# Altium PCB PCB2.PcbDoc
Units mil, origin at the board's own origin, x right, y up, seen from the top; angles counter-clockwise.
Board outline 6000 x 4000 mil, 2 copper layers (Top Layer, Bottom Layer); 183 components, 159 nets, 654 pads, 8 vias.
Unrouted connection lines stored in the file: 455.
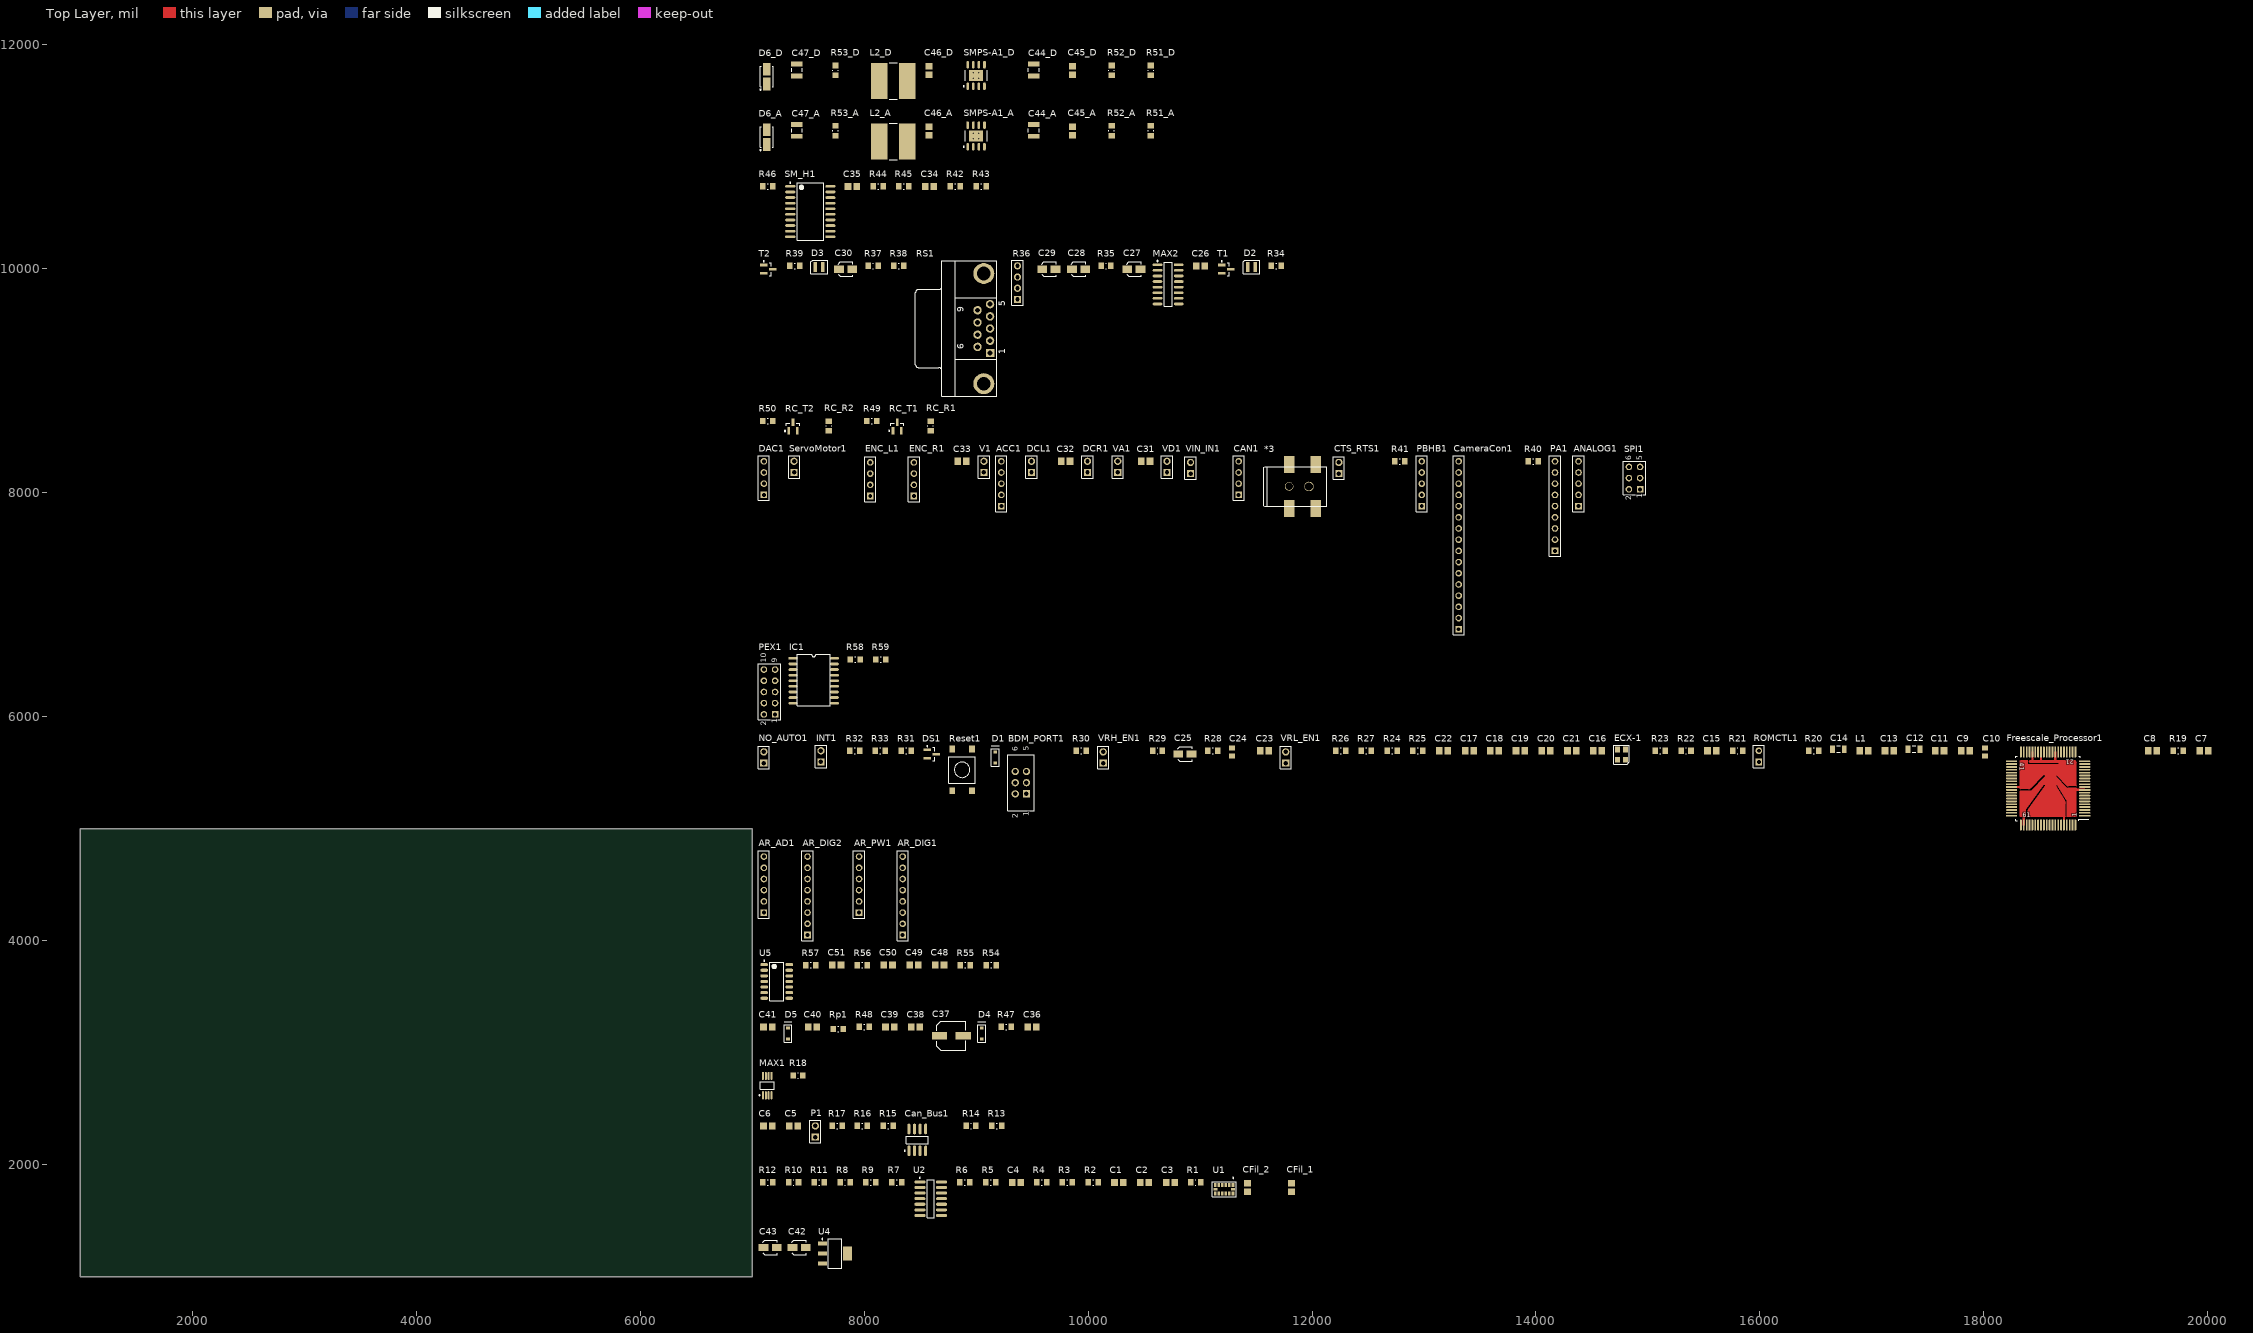
[diagram p0: Top Layer view]
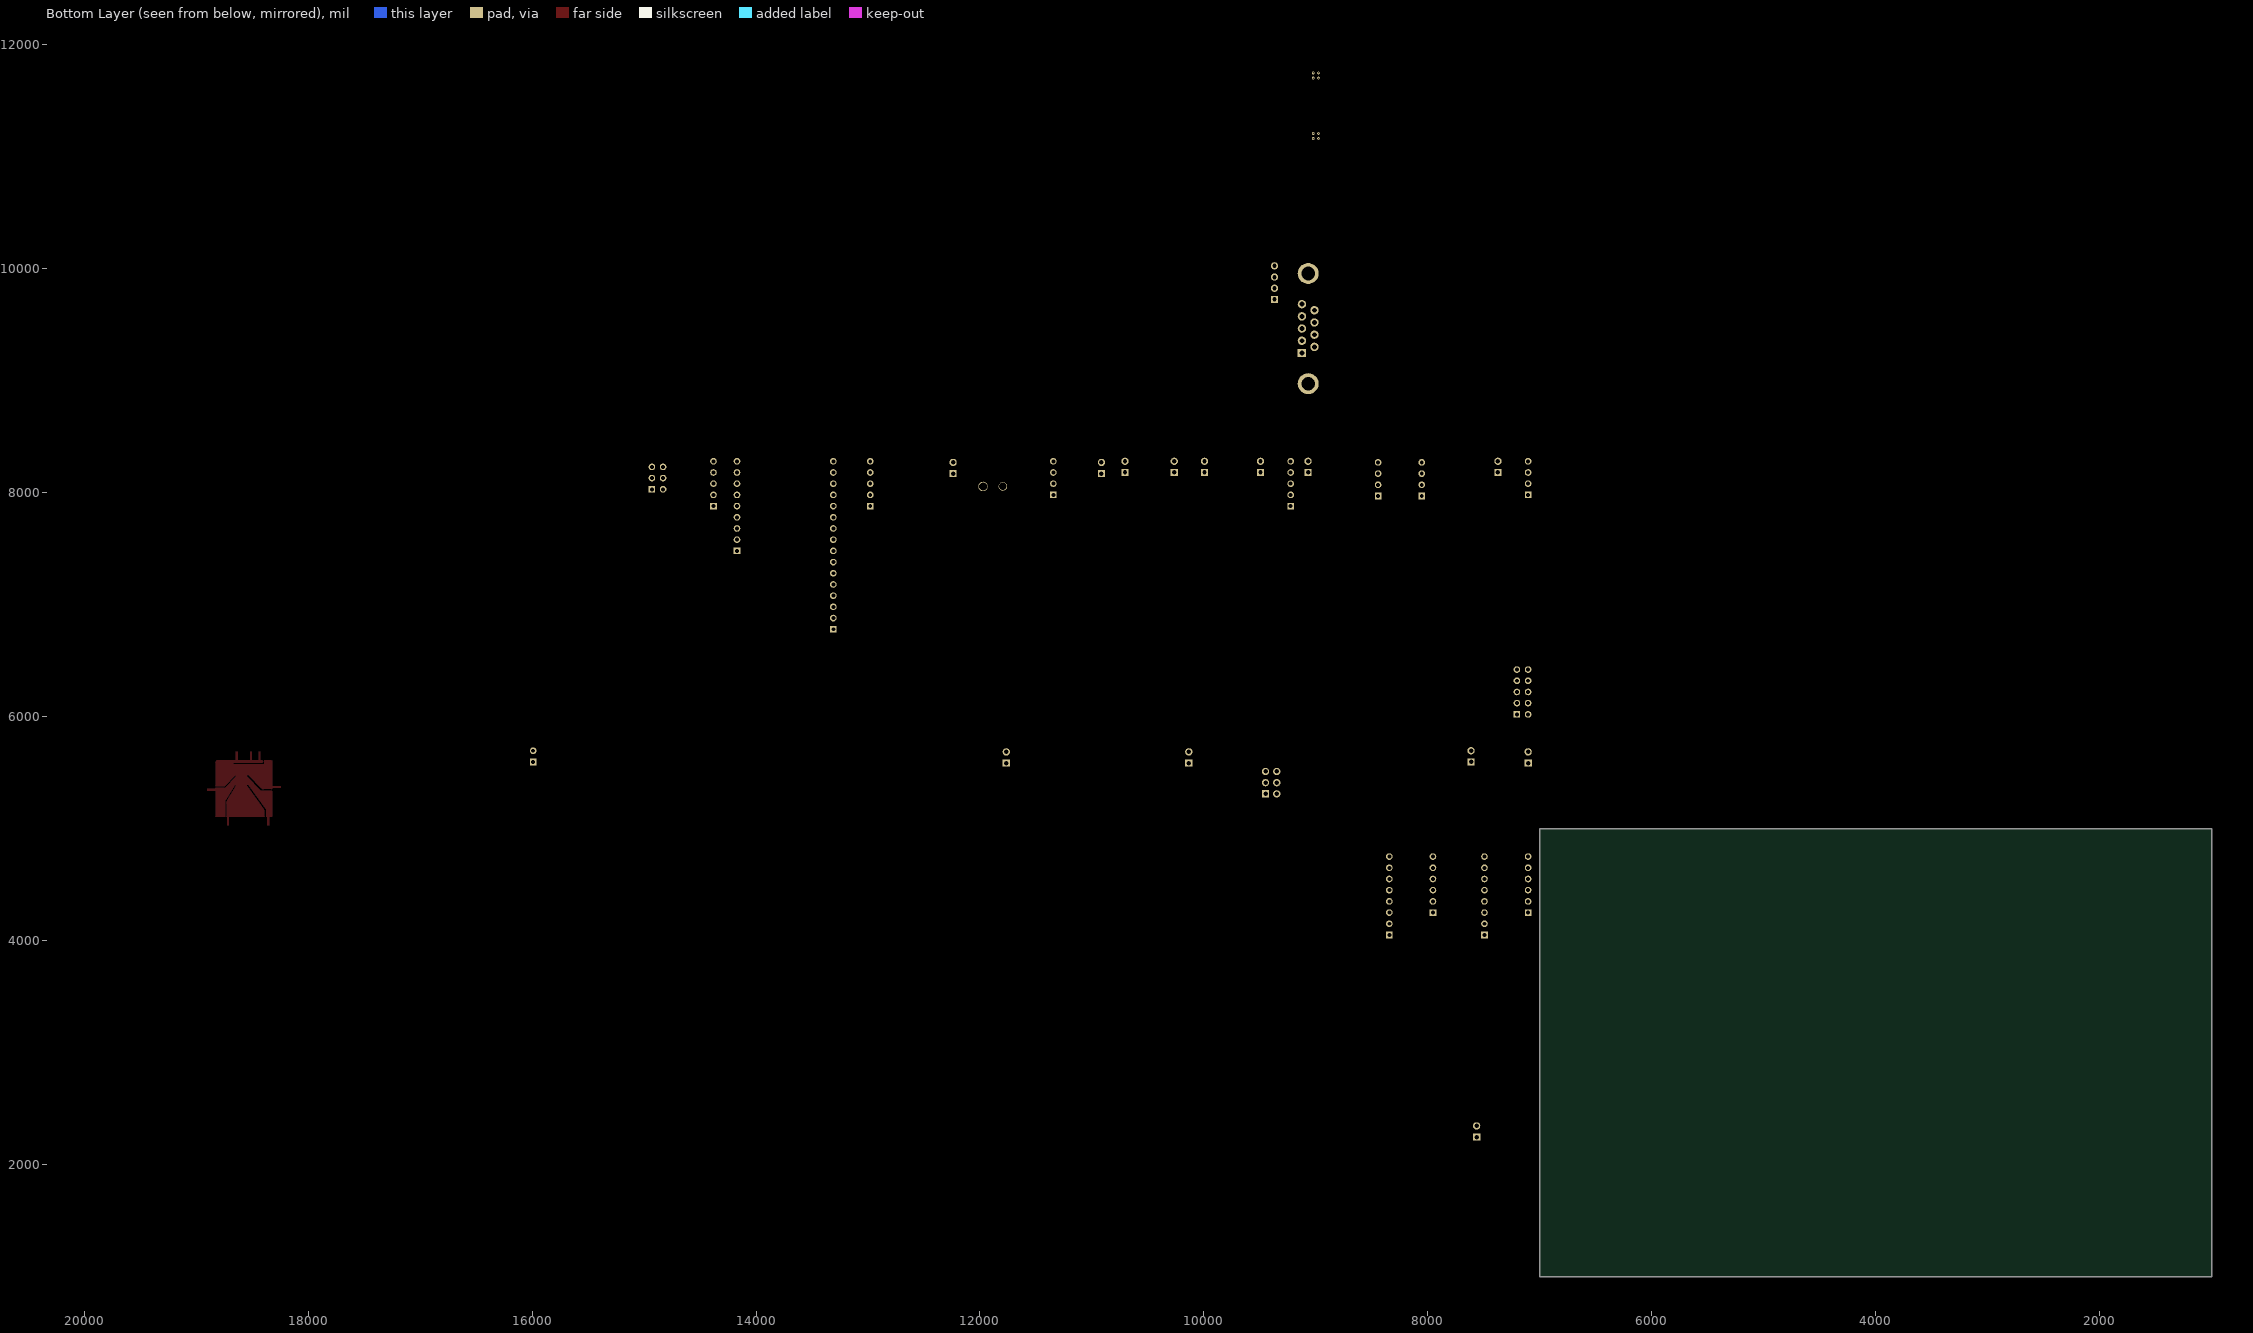
[diagram p1: Bottom Layer view, seen from below]

## Layer stack, top to bottom
Top Layer: signal copper 1.4
Dielectric: dielectric 12.6, FR-4, Dk 4.8
Bottom Layer: signal copper 1.4

## Board outline
1000,1000 7000,1000 7000,5000 1000,5000

## Design rules (kind name [scope] priority, off if disabled: settings)
Clearance [All] p1: gap=10
PolygonConnect [All] p1: connectstyle=Relief reliefconductorwidth=10 reliefentries=4 polygonreliefangle="90 Angle" airgapwidth=10
RoomDefinition Stepper_Motor [InComponentClass('Stepper_Motor')] p1: confinementstyle=ConfineIn formatcopy=TRUE lockcomponents=FALSE outline 7045,10235 9145,10235 9145,10895 7045,10895
RoomDefinition RS232 [InComponentClass('RS232')] p2: confinementstyle=ConfineIn formatcopy=TRUE lockcomponents=FALSE outline 7045,8845 11780,8845 11780,10185 7045,10185
RoomDefinition RC_PWM [InComponentClass('RC_PWM')] p3: confinementstyle=ConfineIn formatcopy=TRUE lockcomponents=FALSE outline 7045,8490 8830,8490 8830,8800 7045,8800
RoomDefinition Project_Board [InComponentClass('Project_Board')] p4: confinementstyle=ConfineIn formatcopy=TRUE lockcomponents=FALSE outline 7045,6720 14995,6720 14995,8440 7045,8440
RoomDefinition MCP23S09 [InComponentClass('MCP23S09')] p5: confinementstyle=ConfineIn formatcopy=TRUE lockcomponents=FALSE outline 7045,5905 8250,5905 8250,6670 7045,6670
RoomDefinition MC9S12C [InComponentClass('MC9S12C')] p6: confinementstyle=ConfineIn formatcopy=TRUE lockcomponents=FALSE outline 7045,4970 20060,4970 20060,5855 7045,5855
RoomDefinition "ili9327 LCD" [InComponentClass('ili9327 LCD')] p7: confinementstyle=ConfineIn formatcopy=TRUE lockcomponents=FALSE outline 7045,3990 8690,3990 8690,4920 7045,4920
RoomDefinition Encoder [InComponentClass('Encoder')] p8: confinementstyle=ConfineIn formatcopy=TRUE lockcomponents=FALSE outline 7045,3435 9235,3435 9235,3940 7045,3940
RoomDefinition DC_Motor [InComponentClass('DC_Motor')] p9: confinementstyle=ConfineIn formatcopy=TRUE lockcomponents=FALSE outline 7045,3010 9600,3010 9600,3390 7045,3390
RoomDefinition DAC [InComponentClass('DAC')] p10: confinementstyle=ConfineIn formatcopy=TRUE lockcomponents=FALSE outline 7045,2555 7505,2555 7505,2955 7045,2955
RoomDefinition D [InComponentClass('D')] p11: confinementstyle=ConfineIn formatcopy=TRUE lockcomponents=FALSE outline 7045,11485 10805,11485 10805,11975 7045,11975
RoomDefinition CanBus [InComponentClass('CanBus')] p12: confinementstyle=ConfineIn formatcopy=TRUE lockcomponents=FALSE outline 7045,2045 9280,2045 9280,2505 7045,2505
RoomDefinition Accelerometer [InComponentClass('Accelerometer')] p13: confinementstyle=ConfineIn formatcopy=TRUE lockcomponents=FALSE outline 7045,1495 12090,1495 12090,2000 7045,2000
RoomDefinition A [InComponentClass('A')] p14: confinementstyle=ConfineIn formatcopy=TRUE lockcomponents=FALSE outline 7045,10945 10805,10945 10805,11435 7045,11435
RoomDefinition 3.3V_Reg [InComponentClass('3.3V_Reg')] p15: confinementstyle=ConfineIn formatcopy=TRUE lockcomponents=FALSE outline 7045,1060 7905,1060 7905,1450 7045,1450
RoutingVias [All] p1: holewidth=28 width=50 viastyle="Through Hole" minholewidth=28 minwidth=50 maxholewidth=28 maxwidth=50
SilkscreenOverComponentPads [All] p1: minsilkscreentomaskgap=10
SolderMaskExpansion [All] p1: expansion=4
Width [All] p1: maxlimit=10 minlimit=10 preferedwidth=10
27 further rules are at their usual default settings.

## Classes and differential pairs
channel class SMPS_5V_: A D
component class Stepper_Motor: C34 C35 R42 R43 R44 R45 R46 SM_H1
component class RS232: C26 C27 C28 C29 C30 D2 D3 MAX2 R34 R35 R36 R37 R38 R39 RS1 T1 T2
component class RC_PWM: R49 R50 RC_R1 RC_R2 RC_T1 RC_T2
component class Project_Board: *3 ACC1 ANALOG1 C31 C32 C33 CameraCon1 CAN1 CTS_RTS1 DAC1 DCL1 DCR1 ENC_L1 ENC_R1 PA1 PBHB1 R40 R41 ServoMotor1 SPI1 V1 VA1 VD1 VIN_IN1
component class MCP23S09: IC1 PEX1 R58 R59
component class MC9S12C: BDM_PORT1 C7 C8 C9 C10 C11 C12 C13 C14 C15 C16 C17 C18 C19 C20 C21 C22 C23 C24 C25 D1 DS1 ECX-1 Freescale_Processor1 INT1 L1 NO_AUTO1 R19 R20 R21 R22 R23 R24 R25 R26 R27 R28 R29 R30 R31 R32 R33 Reset1 ROMCTL1 VRH_EN1 VRL_EN1
component class "ili9327 LCD": AR_AD1 AR_DIG1 AR_DIG2 AR_PW1
component class Encoder: C48 C49 C50 C51 R54 R55 R56 R57 U5
component class D: C44_D C45_D C46_D C47_D D6_D L2_D R51_D R52_D R53_D SMPS-A1_D
component class DC_Motor: C36 C37 C38 C39 C40 C41 D4 D5 R47 R48 Rp1 U?
component class DAC: MAX1 R18
component class CanBus: C5 C6 Can_Bus1 P1 R13 R14 R15 R16 R17
component class A: C44_A C45_A C46_A C47_A D6_A L2_A R51_A R52_A R53_A SMPS-A1_A
component class Accelerometer: C1 C2 C3 C4 CFil_1 CFil_2 R1 R2 R3 R4 R5 R6 R7 R8 R9 R10 R11 R12 U1 U2
component class 3.3V_Reg: C42 C43 U4

## Components (designator, comment, footprint, x,y, rotation, side; value= is the part's Value field where it differs from the comment)
*3 "PJ-S002AH-SMD" PJ-002AH-SMD 11795,8055 r0 top
ACC1 "Header 5" HDR1X5 9225,7880 r90 top
ANALOG1 "Header 5" HDR1X5 14380,7880 r90 top
AR_AD1 "Header 6" HDR1X6 7105,4250 r90 top
AR_DIG1 "Header 8" HDR1X8 8345,4050 r90 top
AR_DIG2 "Header 8" HDR1X8 7495,4050 r90 top
AR_PW1 "Header 6" HDR1X6 7955,4250 r90 top
BDM_PORT1 "CON6" HDR3X2 9450,5310 r90 top
C1 "Cap" CAPC2012X09M 10275,1840 r0 top
C2 "Cap" CAPC2012X09M 10505,1840 r0 top
C3 "Cap" CAPC2012X09M 10735,1840 r0 top
C4 "Cap" CAPC2012X09M 9360,1840 r0 top
C5 "Cap" CAPC2012X09M 7370,2345 r0 top
C6 "Cap" CAPC2012X09M 7140,2345 r0 top
C7 "p" CAPC2012X09M 19965,5695 r0 top
C8 "ap" CAPC2012X09M 19505,5695 r0 top
C9 "p" CAPC2012X09M 17835,5695 r0 top
C10 "Cap" C_805 18010,5685 r90 top
C11 "Cap" CAPC2012X09M 17605,5695 r0 top
C12 "Cap" C1206 17375,5710 r0 top
C13 "Cap" CAPC2012X09M 17155,5695 r0 top
C14 "Cap" C1206 16700,5710 r0 top
C15 "Cap" CAPC2012X09M 15570,5695 r0 top
C16 "Cap" CAPC2012X09M 14550,5695 r0 top
C17 "Cap" CAPC2012X09M 13405,5695 r0 top
C18 "Cap" CAPC2012X09M 13630,5695 r0 top
C19 "Cap" CAPC2012X09M 13860,5695 r0 top
C20 "Cap" CAPC2012X09M 14090,5695 r0 top
C21 "Cap" CAPC2012X09M 14320,5695 r0 top
C22 "Cap" CAPC2012X09M 13175,5695 r0 top
C23 "Cap" CAPC2012X09M 11575,5695 r0 top
C24 "Cap" C_805 11285,5685 r90 top
C25 "Cap Pol" CAPACITOR_3MM 10865,5665 r0 top
C26 "Cap" CAPC2012X09M 11005,10025 r0 top
C27 "Pol" CAPACITOR_3MM 10410,9995 r0 top
C28 "Pol" CAPACITOR_3MM 9915,9995 r0 top
C29 "Pol" CAPACITOR_3MM 9650,9995 r0 top
C30 "Pol" CAPACITOR_3MM 7835,9995 r0 top
C31 "Cap" CAPC2012X09M 10515,8280 r0 top
C32 "Cap" CAPC2012X09M 9800,8280 r0 top
C33 "Cap" CAPC2012X09M 8875,8280 r0 top
C34 "Cap" CAPC2012X09M 8585,10735 r0 top
C35 "Cap" CAPC2012X09M 7895,10735 r0 top
C36 "Cap" CAPC2012X09M 9500,3230 r0 top
C37 "Cap Pol" CAPACITOR_6.3MM 8780,3150 r0 top
C38 "Cap" CAPC2012X09M 8460,3230 r0 top
C39 "Cap" CAPC2012X09M 8230,3230 r0 top
C40 "Cap" CAPC2012X09M 7540,3230 r0 top
C41 "Cap" CAPC2012X09M 7140,3230 r0 top
C42 "Pol" CAPACITOR_3MM 7420,1260 r0 top
C43 "Pol" CAPACITOR_3MM 7160,1260 r0 top
C44_A "Cap-100V" C1210 9515,11235 r90 top (schematic designator C44)
C44_D "Cap-100V" C1210 9515,11775 r90 top (schematic designator C44)
C45_A "Cap" CAPC2012X09M 9860,11230 r90 top (schematic designator C45)
C45_D "Cap" CAPC2012X09M 9860,11770 r90 top (schematic designator C45)
C46_A "Cap" CAPC2012X09M 8580,11230 r90 top (schematic designator C46)
C46_D "Cap" CAPC2012X09M 8580,11770 r90 top (schematic designator C46)
C47_A "Cap-10v-A" C1210 7400,11235 r90 top (schematic designator C47)
C47_D "Cap-10v-A" C1210 7400,11775 r90 top (schematic designator C47)
C48 "Cap" CAPC2012X09M 8675,3780 r0 top
C49 "C1" CAPC2012X09M 8445,3780 r0 top
C50 "Cap" CAPC2012X09M 8215,3780 r0 top
C51 "Cap" CAPC2012X09M 7755,3780 r0 top
CameraCon1 "Header 16" HDR1X16 13310,6780 r90 top
CAN1 "Header 4" HDR1X4#1 11345,7980 r90 top
Can_Bus1 "MCP2551" SOIC127P600X175-8M 8475,2220 r90 top
CFil_1 "Cap" CAPC2012X09M 11815,1795 r90 top
CFil_2 "Cap" CAPC2012X09M 11425,1795 r90 top
CTS_RTS1 "Header 2" HDR1X2#1 12240,8170 r90 top
D1 "1N4148" zener_sod323 9170,5635 r90 top
D2 "LED" LED 11425,10015 r0 top
D3 "LED" LED 7565,10015 r0 top
D4 "Diode 1N4148" zener_sod323 9050,3170 r90 top
D5 "Diode 1N4148" zener_sod323 7320,3170 r90 top
D6_A "DIODE SCHOTTKY 40V 2A SMA" DIOM4326X23M 7130,11175 r90 top (schematic designator D6)
D6_D "DIODE SCHOTTKY 40V 2A SMA" DIOM4326X23M 7130,11715 r90 top (schematic designator D6)
DAC1 "Header 4" HDR1X4#1 7105,7980 r90 top
DCL1 "Header 2" HDR1X2#1 9495,8180 r90 top
DCR1 "Header 2" HDR1X2#1 9995,8180 r90 top
DS1 "DS1813-10" SOT95P230X110-3M 8605,5665 r0 top
ECX-1 "ECS-XC" ECX-32 14800,5615 r90 top
ENC_L1 "En_H" HDR1X4#1 8055,7970 r90 top
ENC_R1 "En_H" HDR1X4#1 8445,7970 r90 top
Freescale_Processor1 "MC9S12C128MFUE" QUAD.65M/80/WG17.45-HCS12 18900,5115 r90 top
IC1 "MCP23009" MCP23009 7365,6520 r0 top
INT1 "Header 2" HDR1X2#1 7615,5595 r90 top
L1 "10uH" CAPC2012X09M 16930,5695 r0 top
L2_A "SRN8040-33uH" INDP8080X40M 8260,11135 r0 top (schematic designator L2)
L2_D "SRN8040-33uH" INDP8080X40M 8260,11675 r0 top (schematic designator L2)
MAX1 "IC DAC 8BIT DUAL VOUT 8-UMAX" TSOP65P490X110-8M 7135,2705 r90 top
MAX2 "MAX3232CSE" NSO16_N 10715,9860 r0 top
NO_AUTO1 "Header 2" HDR1X2#1 7105,5585 r90 top
P1 "Header 2" HDR1X2#1 7565,2245 r90 top
PA1 "Header 9" HDR1X9 14170,7480 r90 top
PBHB1 "Header 5" HDR1X5 12980,7880 r90 top
PEX1 "Header 5X2" HDR2X5 7205,6020 r90 top
R1 "Res3" RESC2112X05M 10960,1840 r0 top
R2 "Res3" RESC2112X05M 10045,1840 r0 top
R3 "Res3" RESC2112X05M 9815,1840 r0 top
R4 "Res3" RESC2112X05M 9585,1840 r0 top
R5 "Res3" RESC2112X05M 9130,1840 r0 top
R6 "Res3" RESC2112X05M 8900,1840 r0 top
R7 "Res3" RESC2112X05M 8290,1840 r0 top
R8 "Res3" RESC2112X05M 7830,1840 r0 top
R9 "Res3" RESC2112X05M 8060,1840 r0 top
R10 "Res3" RESC2112X05M 7370,1840 r0 top
R11 "Res3" RESC2112X05M 7600,1840 r0 top
R12 "Res3" RESC2112X05M 7140,1840 r0 top
R13 "Res3" RESC2112X05M 9185,2345 r0 top
R14 "Res3" RESC2112X05M 8955,2345 r0 top
R15 "Res3" RESC2112X05M 8215,2345 r0 top
R16 "Res3" RESC2112X05M 7985,2345 r0 top
R17 "Res3" RESC2112X05M 7760,2345 r0 top
R18 "Res3" RESC2112X05M 7410,2795 r0 top
R19 "Res3" RESC2112X05M 19735,5695 r0 top
R20 "Res3" RESC2112X05M 16480,5695 r0 top
R21 "Res3" RESC2112X05M 15800,5695 r0 top
R22 "Res3" RESC2112X05M 15340,5695 r0 top
R23 "Res3" RESC2112X05M 15110,5695 r0 top
R24 "Res3" RESC2112X05M 12715,5695 r0 top
R25 "Res3" RESC2112X05M 12945,5695 r0 top
R26 "Res3" RESC2112X05M 12255,5695 r0 top
R27 "Res3" RESC2112X05M 12485,5695 r0 top
R28 "Res3" RESC2112X05M 11115,5695 r0 top
R29 "Res3" RESC2112X05M 10620,5695 r0 top
R30 "Res3" RESC2112X05M 9940,5695 r0 top
R31 "Res3" RESC2112X05M 8375,5695 r0 top
R32 "Res3" RESC2112X05M 7915,5695 r0 top
R33 "Res3" RESC2112X05M 8145,5695 r0 top
R34 "Res3" RESC2112X05M 11680,10025 r0 top
R35 "Res3" RESC2112X05M 10160,10025 r0 top
R36 "Header 4" HDR1X4#2 9370,9725 r90 top
R37 "Res3" RESC2112X05M 8080,10025 r0 top
R38 "Res3" RESC2112X05M 8310,10025 r0 top
R39 "Res3" RESC2112X05M 7380,10025 r0 top
R40 "Res3" RESC2112X05M 13975,8280 r0 top
R41 "Res3" RESC2112X05M 12785,8280 r0 top
R42 "Res3" RESC2112X05M 8815,10735 r0 top
R43 "Res3" RESC2112X05M 9045,10735 r0 top
R44 "Res3" RESC2112X05M 8125,10735 r0 top
R45 "Res3" RESC2112X05M 8355,10735 r0 top
R46 "Res3" RESC2112X05M 7140,10735 r0 top
R47 "Res3" RESC2112X05M 9270,3230 r0 top
R48 "Res3" RESC2112X05M 8000,3230 r0 top
R49 "Res3" RESC2112X05M 8070,8640 r0 top
R50 "R2_B" RESC2112X05M 7140,8640 r0 top
R51_A "RFb1" RESC2112X05M 10560,11230 r90 top (schematic designator R51)
R51_D "RFb1" RESC2112X05M 10560,11770 r90 top (schematic designator R51)
R52_A "Res3" RESC2112X05M 10210,11230 r90 top (schematic designator R52)
R52_D "Res3" RESC2112X05M 10210,11770 r90 top (schematic designator R52)
R53_A "Res3" RESC2112X05M 7745,11230 r90 top (schematic designator R53)
R53_D "Res3" RESC2112X05M 7745,11770 r90 top (schematic designator R53)
R54 "Res3" RESC2112X05M 9135,3780 r0 top
R55 "Res3" RESC2112X05M 8905,3780 r0 top
R56 "Res3" RESC2112X05M 7985,3780 r0 top
R57 "Res3" RESC2112X05M 7525,3780 r0 top
R58 "Res3" RESC2112X05M 7920,6510 r0 top
R59 "Res3" RESC2112X05M 8150,6510 r0 top
RC_R1 "Res3" RESC2112X05M 8595,8595 r90 top
RC_R2 "Res3" RESC2112X05M 7685,8595 r90 top
RC_T1 "BC846B" SOT95P230X110-3M 8295,8590 r90 top
RC_T2 "BC846B" SOT95P230X110-3M 7365,8590 r90 top
Reset1 "SWITCH_TACTILE" TACT_SWITCH_6MM_SMT 8875,5525 r90 top
ROMCTL1 "Header 2" HDR1X2#2 15990,5595 r90 top
Rp1 "Res3" RESC2112X05M 7770,3210 r0 top